# Altium PCB 2_MC34063可调电源.PcbDoc
Units mil, origin at the board's own origin, x right, y up, seen from the top; angles counter-clockwise.
Board outline 1450.79 x 1121.06 mil, 2 copper layers (Top Layer, Bottom Layer); 17 components, 10 nets, 46 pads, 88 vias.
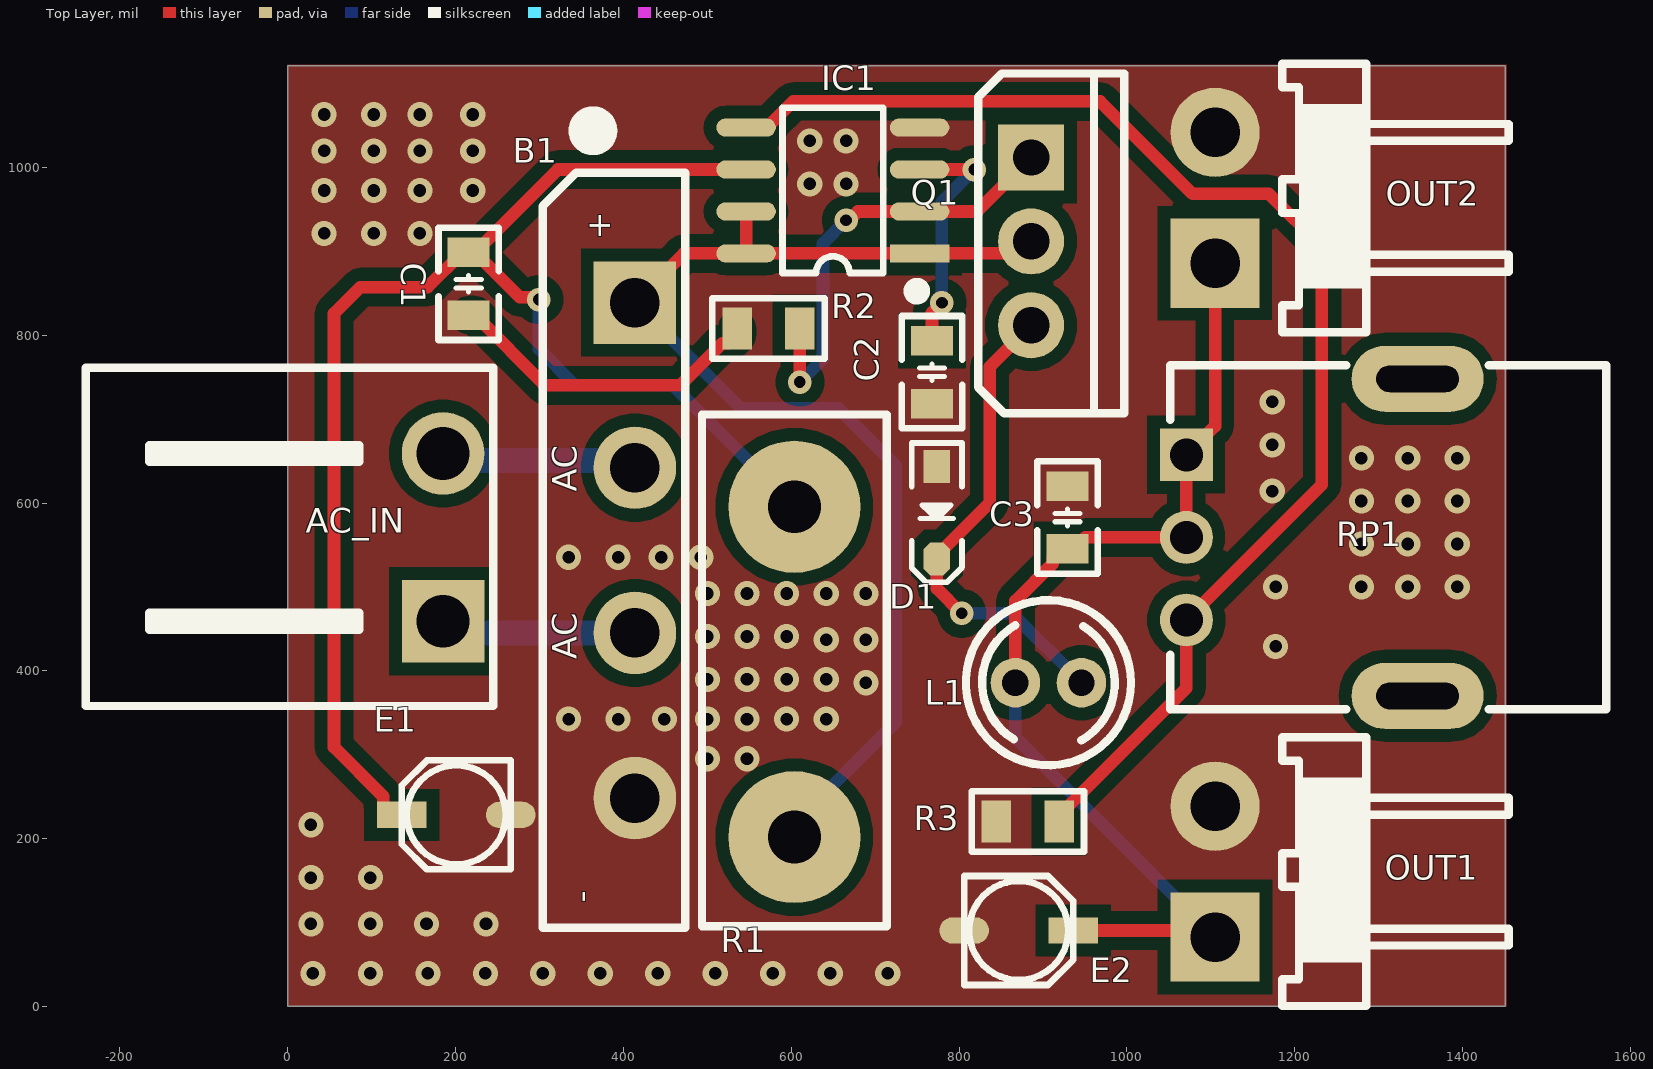
[diagram p0: Top Layer view]
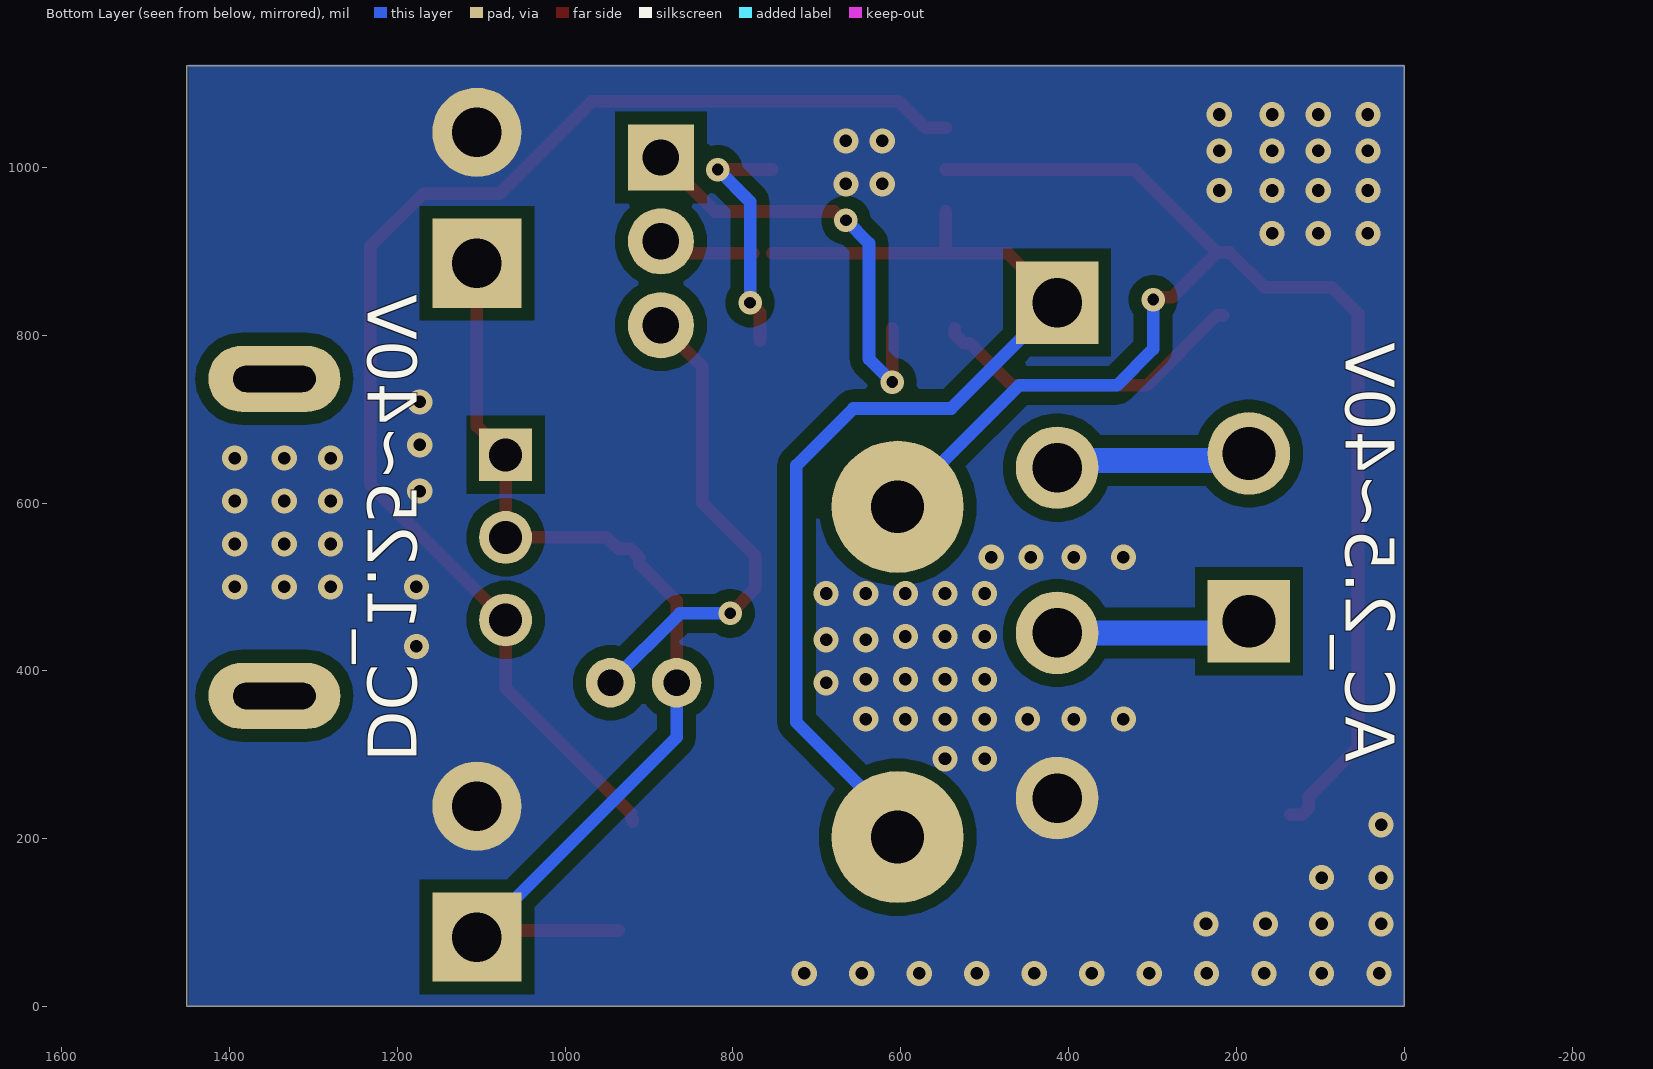
[diagram p1: Bottom Layer view, seen from below]

## Layer stack, top to bottom
Top Solder: solder mask 0.4, Solder Resist, Dk 3.5
Top Layer: signal copper 1.4
Dielectric 1: dielectric 12.6, FR-4, Dk 4.8
Bottom Layer: signal copper 1.4
Bottom Solder: solder mask 0.4, Solder Resist, Dk 3.5

## Board outline
0,0 1450.79,0 1450.79,1121.06 0,1121.06

## Design rules (kind name [scope] priority, off if disabled: settings)
Clearance [All] p1: gap=10 ignorepadtopadclearanceinfootprint=FALSE except(15: Arc-Poly Track-Poly SMDPad-Poly THPad-Poly Via-Poly Fill-Poly Poly-Poly)
PolygonConnect [All] p1: connectstyle=Direct reliefconductorwidth=10 reliefentries=4 polygonreliefangle="90 Angle" airgapwidth=10
RoutingVias [All] p1: holewidth=14 width=28 viastyle="Through Hole" minholewidth=1 minwidth=1 maxholewidth=28 maxwidth=50
SolderMaskExpansion [All] p1: expansion=4 istentingtop=FALSE
Width [All] p1: maxlimit=30 minlimit=1 preferedwidth=15
30 further rules are at their usual default settings.

## Components (designator, comment, footprint, x,y, rotation, side; value= is the part's Value field where it differs from the comment)
AC_IN "HDR-1X2" KF2EDGK5.08-WI-2P 185.04,559.06 r90 top
B1 "GBU810" GBU 413.66,543.62 r90 top
C1 "104" "C 0805_L" 215.55,861.22 r270 top
C2 "180pF" "C 0805_L" 767.72,755.91 r90 top
C3 "104" "C 0805_L" 929.13,582.68 r270 top
D1 "1N5819" SOD-323 773.62,588.58 r270 top
E1 "470uF/50V" "CM A(3*5.4)" 200.79,228.35 r180 top
E2 "1000uF/25V" "CM A(3*5.4)" 871.06,90.55 r0 top
IC1 "MC34063" SOP8_N 649.61,972.44 r180 top
L1 "470uH" PK0406 906.5,385.83 r180 top
OUT1 "HDR-1X2" VH3.96-WI-2P 1105.16,160.57 r90 top
OUT2 "HDR-1X2" VH3.96-WI-2P 1105.16,963.62 r90 top
Q1 "MJE13005" TO220A 885.83,911.81 r270 top
R1 "0.1/1W" RX10-18*15*5 603.66,398.62 r270 top
R2 "2K" "R 0805_L" 572.83,808.07 r0 top
R3 "3.3K" "R 0805_L" 881.89,220.47 r0 top
RP1 "50K" XV09223NPV-20F 1346.46,559.06 r270 top

## Footprints (in the part's own frame and the unit in brackets; to place one, negate y for a bottom-side part, rotate by r counter-clockwise, add the part's x,y. Pads: shape width x height; smd on the part's side, far side on the other; paste and mask are expansions set on the pad)
"C 0805_L" [mil] "无极性贴片电容                                        淘宝ID:黄晶宝石"
  rect 35x50 smd: 1(-37.4,0) 2(37.4,0)
  silkscreen extent -67,-36 67,36, body extent -39,-24 39,24, height 20
"CM A(3*5.4)" [mm] "贴片电解电容，直径3mm，高5.4mm         淘宝ID:黄晶宝石"
  rect 1.5x0.8 smd: 1(1.651,0)
  oval 1.5x0.8 smd: 2(-1.65,0)
  silkscreen extent -1.65,-1.65 1.65,1.65, body extent -1.9,-1.65 1.9,1.65, height 5.4
GBU [mm] "整流桥，脚距：5mm/200mil"
  round 2.5 hole 1.5: AC1(-2.5,0) AC2(2.5,0) DC-(-7.5,0)
  rect 2.5x2.5 hole 1.5: DC+(7.5,0)
  silkscreen extent -11.43,-1.52 13.06,2.79, body extent -11,-1.15 11,2.35, height 20.8
KF2EDGK5.08-WI-2P [mm] "卧插端子"
  rect 2.5x2.5 hole 1.6: 1(-2.54,0)
  round 2.5 hole 1.6: 2(2.54,0)
  silkscreen extent -5.11,-1.52 5.13,10.82, body extent -5.08,-0.5 5.08,10.8, height 8.5
PK0406 [mm] "2*5*8mm(脚距，直径，高）"
  round 1.5 hole 0.8: 1(-1,0) 2(1,0)
  silkscreen extent -2.5,-2.5 2.5,2.5, body extent -2.5,-2.5 2.5,2.5, height 8.02
"R 0805_L" [mil] "1/8W贴片电阻"
  rect 35x50 smd: 1(-37.4,0) 2(37.4,0)
  silkscreen extent -67,-36 67,36, body extent -39,-25 39,25, height 20
RX10-18*15*5 [mm] "18*15*5MM(长*宽*厚)     淘宝ID:黄晶宝石"
  round 4 hole 1.6: 1(-5,0) 2(5,0)
  silkscreen extent -7.79,-2.79 7.7,2.79, body extent -7.5,-2.5 7.5,2.5, height 18.05
SOD-323 [mm] "1.8x1.3X0.9mm（长宽高，不包括引脚）"
  rect 1x0.8 smd: 1(-1.4,0)
  oct 1x0.8 smd: 2(1.4,0)
  silkscreen extent -2.11,-0.76 2.11,0.76, body extent -1.34,-0.63 1.31,0.67, height 1
SOP8_N [mm] "5*6*1.8mm（长宽高）封装库来自淘宝卖家 ID：黄晶宝石"
  rect 1.8x0.55 smd: 1(-2.625,1.905)
  oval 1.8x0.55 smd: 2(-2.625,0.635) 3(-2.625,-0.635) 4(-2.625,-1.905) 5(2.625,-1.905) 6(2.625,-0.635) 7(2.625,0.635) 8(2.625,1.905)
  silkscreen extent -2.69,-2.5 1.52,3.2, body extent -3,-2.5 3,2.5, height 1.9
TO220A [mm] "220，3脚晶体管  封装库来自淘宝卖家 ID：黄晶宝石"
  rect 2x2 hole 1.1: 1(-2.54,0)
  round 2 hole 1.1: 2(0,0) 3(2.54,0)
  silkscreen extent -5.08,-1.6 5.21,2.82, body extent -5.15,-1.53 5.15,2.9, height 18.5
VH3.96-WI-2P [mm] "接插件，25V/5A 淘宝ID:黄晶宝石   店铺网址:https://shop463601444.taobao.com"
  rect 2.7x2.7 hole 1.5: 1(-1.98,0)
  round 2.7 hole 1.5: 2(1.982,0)
  silkscreen extent -4.06,-8.89 4.07,-2.03, body extent -4.01,-12 4.01,0.6, height 8.76
XV09223NPV-20F [mm] "长9.85mm，宽11.55mm，高20mm       淘宝ID:黄晶宝石"
  oval 2x4 hole 0.8 slot 2.5 at 90 deg: 0(-4.8,0) 0(4.8,0)
  rect 1.6x1.6 hole 1: 1(-2.5,-7)
  round 1.6 hole 1: 2(0,-7) 3(2.5,-7)
  silkscreen extent -5.21,-7.49 5.21,5.72, body extent -4.92,-7.15 4.93,5.5, height 20

## Part data
AC_IN OUT1 OUT2: library part "Header 2", "2P接插件", BOM名称=2P接插件, 下单链接=https://item.taobao.com/item.htm?ft=t&id=613637044352, 淘宝ID=小糖豆的小窝窝
B1: library part GBU, "1KV/10A整流桥", BOM名称=1KV/10A整流桥, 学习资源=https://shop463601444.taobao.com, 版权归属="封装库来自淘宝 ID：黄晶宝石"
C1 C2 C3: library part C, "贴片电容", BOM名称=无极性贴片电容, 唯一出售店铺网址=https://shop463601444.taobao.com, 淘宝ID="封装库来自淘宝 ID：黄晶宝石", 联系售后，技术支持=https://shop463601444.taobao.com
D1: "肖特基二极管", BOM名称=肖特基二极管, 属性=40V/2A, 欢迎光临=https://shop463601444.taobao.com, 淘宝ID="封装库来自淘宝 ID：黄晶宝石"
E1 E2: library part CE_SMD, "贴片电解电容", BOM名称=贴片电解电容, 版权归属="封装库来自淘宝 ID：黄晶宝石", 联系售后=https://shop463601444.taobao.com
IC1: "DC升降压芯片", BOM名称=DC升降压芯片, 学习资源=https://shop463601444.taobao.com, 版权归属="封装库来自淘宝 ID：黄晶宝石"
L1: library part L-PK, "工字电感", BOM名称=工字电感, 淘宝ID="来自淘宝 ID：黄晶宝石", 联系售后=https://shop463601444.taobao.com
Q1: library part TIP41C, "开关三极管-NPN型", BOM名称=互补功率-NPN型, 属性="100V 6A 65W", 技术支持，联系售后=https://shop463601444.taobao.com, 联系售后="封装库来自淘宝 ID：黄晶宝石"
R1: library part R_MPR, "5W无感水泥电阻", BOM名称=大功率电阻, 版权归属="封装库来自淘宝 ID：黄晶宝石", 联系售后=https://shop463601444.taobao.com
R2 R3: library part R, "贴片电阻", BOM名称=贴片电阻, 封装库来自淘宝卖家 ID：黄晶宝石=其他店铺购入均为盗版，不享受售后技术支持服务，请立即申请退款, 版权归属="来自淘宝 ID：黄晶宝石", 联系售后=https://shop463601444.taobao.com
RP1: library part RP, "单联电位器", BOM名称=插件电位器, 版权归属="封装库来自淘宝 ID：黄晶宝石", 联系售后=https://shop463601444.taobao.com

## Via types
v1: diameter 30, hole 15, Top Layer to Bottom Layer, 82 vias
v2: diameter 28, hole 14, Top Layer to Bottom Layer, 6 vias

## Nets (pads, with @x,y where several pads share a name; then routed paths per layer and width w, separated by ;. In a path a pad name is that pad's centre, name@x,y a point inside that pad or via, vN(x,y) a via of type N, cw(c..) or ccw(c..) an arc to the next point about the centre after c; other vN are vias at no path point)
GND: B1.DC- C1.2 C2.1 C3.1 D1.1 E1.2 E2.2 IC1.4 OUT1.2 OUT2.2 R2.1 R3.1 | length 387.1
  Top Layer w15: C1.2 223.05,823.82 306.71,740.16 467.52,740.16 517.93,790.57 525.43,790.57 535.43,800.57 R2.1
  other v1: 29.92,39.37 98.43,39.37 166.93,39.37 235.43,39.37 303.94,39.37 372.44,39.37 440.94,39.37 509.45,39.37 577.95,39.37 646.46,39.37 714.96,39.37 27.56,98.43 98.43,98.43 165.35,98.43 236.22,98.43 27.56,153.54 98.43,153.54 27.56,216.54 500,295.28 547.24,295.28 334.65,342.52 393.7,342.52 448.82,342.52 500,342.52 547.24,342.52 594.49,342.52 641.73,342.52 688.98,385.83 500,389.76 547.24,389.76 594.49,389.76 641.73,389.76 1177.17,429.13 641.73,437.01 688.98,437.01 500,440.94 547.24,440.94 594.49,440.94 500,492.13 547.24,492.13 594.49,492.13 641.73,492.13 688.98,492.13 1177.17,500 1279.53,500 1334.65,500 1393.7,500 334.65,535.43 393.7,535.43 444.88,535.43 492.13,535.43 1279.53,551.18 1334.65,551.18 1393.7,551.18 1279.53,602.36 1334.65,602.36 1393.7,602.36 1173.23,614.17 1279.53,653.54 1334.65,653.54 1393.7,653.54 1173.23,669.29 1173.23,720.47 43.31,921.26 102.36,921.26 157.48,921.26 43.31,972.44 102.36,972.44 157.48,972.44 220.47,972.44 622.05,980.32 665.35,980.32 43.31,1019.68 102.36,1019.68 157.48,1019.68 220.47,1019.68 622.05,1031.5 665.35,1031.5 43.31,1062.99 102.36,1062.99 157.48,1062.99 220.47,1062.99
NetAC_IN_1: AC_IN.1 B1.AC1 | length 234.4
  Bottom Layer w30: AC_IN.1 198.9,445.2 B1.AC1
NetAC_IN_2: AC_IN.2 B1.AC2 | length 235.7
  Bottom Layer w30: AC_IN.2 193.54,650.55 405.16,650.55 B1.AC2
NetB1_DC+: B1.DC+ IC1.1 IC1.7 IC1.8 Q1.2 R1.2 | length 1437.4
  Top Layer w15: B1.DC+ 472.2,897.44 IC1.8 ; IC1.7 IC1.8 ; IC1.1 IC1.8 ; IC1.1@775.59,897.64 881.89,897.64 Q1.2@905.51,921.26
  Bottom Layer w15: B1.DC+ 539.96,712.59 656.57,712.59 724.41,644.76 724.41,338.58 603.66,217.83 R1.2
NetC1_1: C1.1 E1.1 IC1.6 R1.1 | length 1742
  Top Layer w15: E1.1 122.01,228.35 113.76,236.59 113.76,250.37 55.12,309.02 55.12,825.86 86.5,857.24 166.66,857.24 208.05,898.63 C1.1 C1.1@223.05,898.63 ; v2(299.21,842.52) 296.73,845.01 276.67,845.01 C1.1@223.05,898.63 ; IC1.6 321.86,997.44 C1.1@223.05,898.63
  Bottom Layer w15: v2(299.21,842.52) 299.21,783.46 342.52,740.16 458.98,740.16 R1.1
NetC2_2: C2.2 IC1.3 | length 289.9
  Top Layer w15: IC1.3 v2(817.94,997.44) ; C2.2 767.72,826.77 v2(779.53,838.58)
  Bottom Layer w15: v2(779.53,838.58) 779.53,959.03 v2(817.94,997.44)
NetC3_2: C3.2 E2.1 L1.2 OUT1.1 OUT2.1 RP1.1 RP1.2 | length 1252
  Top Layer w15: L1.2 867.13,483.27 911.63,527.78 911.63,535.28 921.63,545.28 C3.2 936.63,545.28 950.41,559.06 RP1.2 RP1.1 1105.16,691.77 OUT2.1 ; E2.1 1097.23,90.55 OUT1.1
  Bottom Layer w15: L1.2 867.13,320.65 OUT1.1
NetD1_2: D1.2 L1.1 Q1.3 | length 579
  Top Layer w15: v2(803.15,468.5) 773.62,498.03 D1.2 773.62,537.4 836.34,600.12 836.34,762.33 Q1.3
  Bottom Layer w15: v2(803.15,468.5) 863.19,468.5 L1.1
NetIC1_2: IC1.2 Q1.1 R2.2 | length 531.2
  Top Layer w15: v2(610.24,744.09) R2.2 ; v2(665.35,937.01) 668.87,937.01 679.31,947.44 IC1.2 821.46,947.44 Q1.1
  Bottom Layer w15: v2(610.24,744.09) 637.8,771.65 637.8,909.45 v2(665.35,937.01)
NetIC1_5: IC1.5 R3.2 RP1.3 | length 1585.4
  Top Layer w15: IC1.5 570.87,1047.44 602.17,1078.74 968.17,1078.74 1078.41,968.5 1169.29,968.5 1232.28,905.51 1232.28,622.05 RP1.3 1070.87,379.55 921.26,229.94 921.26,224.41 919.29,222.44 R3.2
pads on no net: RP1.0

## Polygon pours and split planes (outlines as drawn)
GND on Bottom Layer "GND_L02_P000" (solid, remove dead copper, pour order 0): 0,1122.05 1448.82,1122.05 1448.82,0 0,0
GND on Top Layer "GND_L01_P001" (solid, remove dead copper, pour order 1): 0,1122.05 1452.76,1122.05 1452.76,0 0,0

## Silkscreen, mask and mechanical layers (free items; w line width, h text height)
Bottom Overlay:
  text "AC_2.5~40V" at 88.63,291.34 h100 r90
  text "DC_1.25~40V" at 1253.99,291.34 h100 r90
Mechanical 1:
  the board outline again, w10

## Text inside footprints (layer, text, board x,y; h text height)
B1: Top Overlay "-" at 373.66,123.62 h50 r90; Top Overlay "+" at 393.66,913.62 h50 r90; Top Overlay "AC" at 353.66,413.62 h50 r90; Top Overlay "AC" at 353.66,613.62 h50 r90